# Altium PCB DM3390.PcbDoc (part 3 of 5)
Units mm, origin at the board's own origin, x right, y up, seen from the top; angles counter-clockwise.
Board outline 50.5 x 70 mm, 6 copper layers (Top Copper, Layer 1, Layer 2, Layer 3, Layer 4, Bottom Layer), stack 1.578 mm thick; 186 components, 176 nets, 1100 pads, 824 vias.
Unrouted connection lines stored in the file: 287.
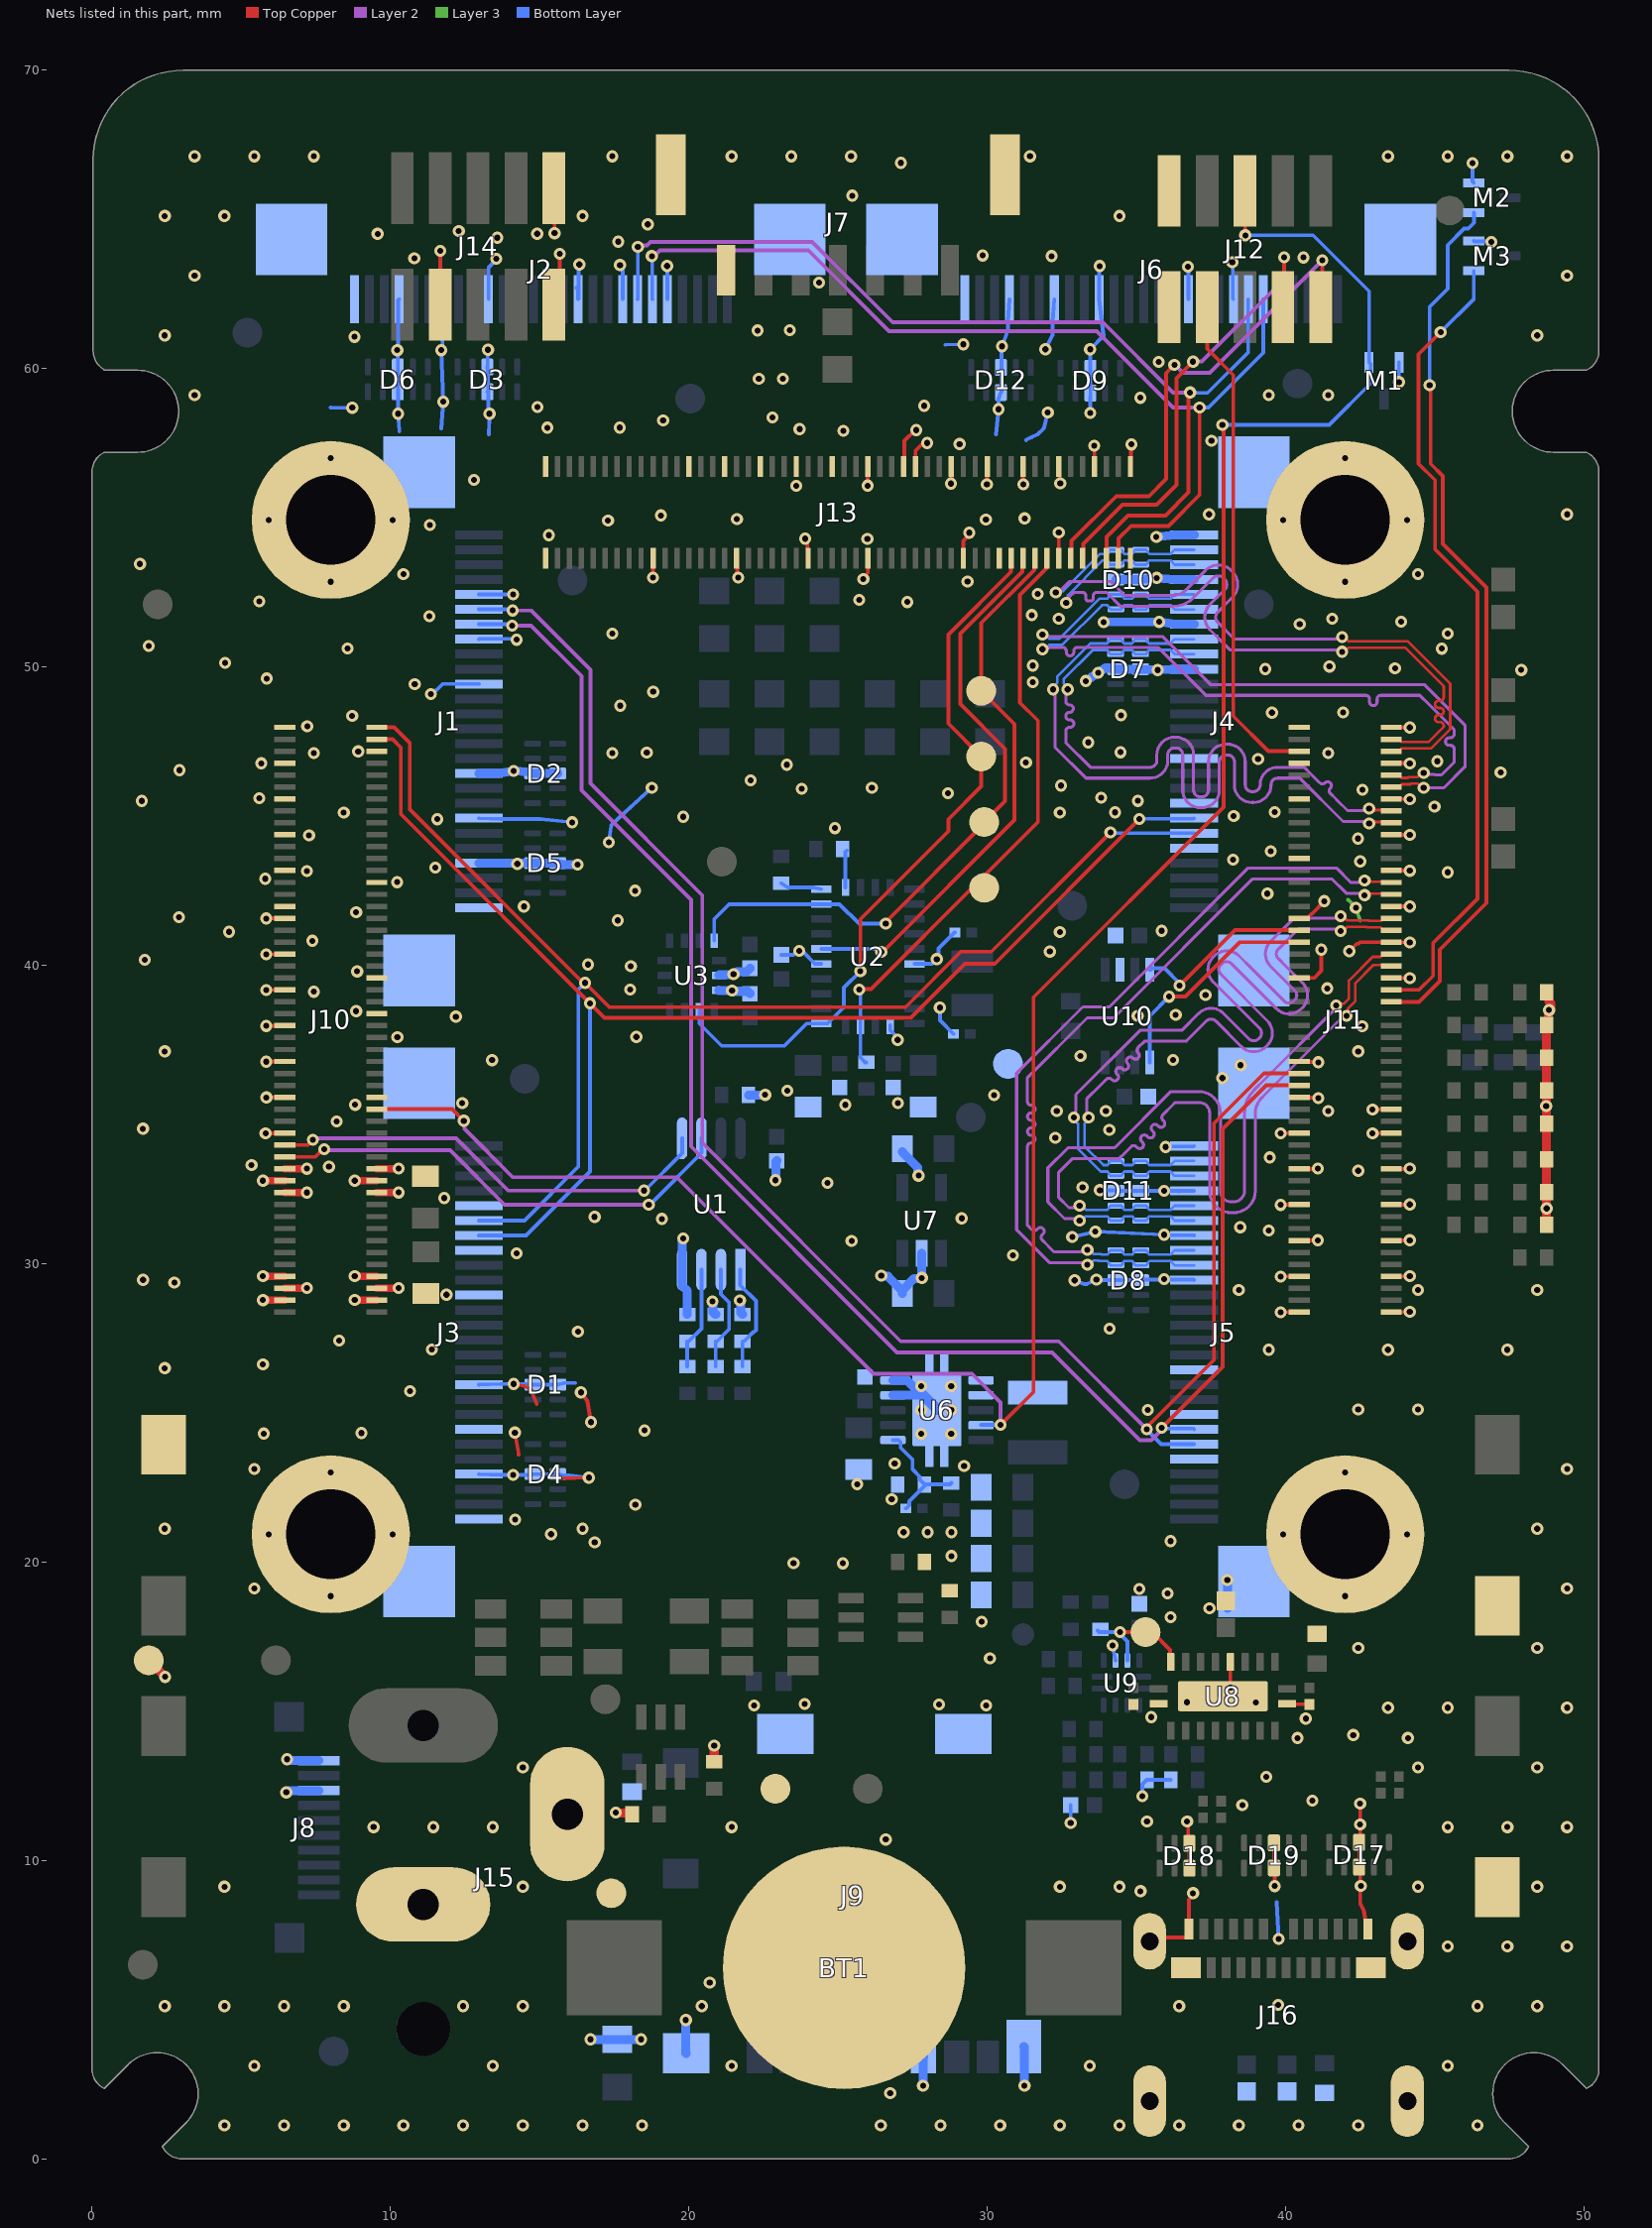
[diagram p7: the nets of this part, all layers, seen from the top]

## Via types
v1: diameter 0.406, hole 0.203, Top Copper to Bottom Layer, tented both sides, 794 vias
v2: diameter 0.406, hole 0.203, Top Copper to Bottom Layer, 30 vias

## Nets (pads, with @x,y where several pads share a name; then routed paths per layer and width w, separated by ;. In a path a pad name is that pad's centre, name@x,y a point inside that pad or via, vN(x,y) a via of type N, cw(c..) or ccw(c..) an arc to the next point about the centre after c; other vN are vias at no path point) (continued)
DBG_UART_TX: J11.95 J12.8 | length 16.8
  Top Copper w0.127: J12.8@37.372,62.059 37.372,60.663 38.25,59.785 38.25,48.35 39.423,47.177 J11.95@40.46,47.177
DIR: R42.1 TP22.1 U8.9 U9.11 | length 4.2
  Top Copper w0.127: v1(34.45,17.65) 35.541,17.65 36.133,17.058 36.133,16.667 U8.9@36.15,16.65
  Bottom Layer w0.127: R42.1@33.7,17.7 33.75,17.65 v1(34.45,17.65) 34.45,17.585 34.696,17.339 34.696,16.704 U9.11@34.7,16.7
EEPROM_A0: R27.1 R31.2 U1.1 | length 3.7
  Bottom Layer w0.127: U1.1@21.725,29.8 21.725,29.275 22.25,28.75 22.25,27.774 22.176,27.7 22.15,27.7 21.85,27.4 R31.2@21.8,27.4 R27.1@21.8,26.55
EEPROM_A1: R28.1 R32.2 U1.2 | length 3.6
  Bottom Layer w0.127: R28.1@20.9,26.55 R32.2@20.9,27.4 20.95,27.4 21.35,27.8 21.35,28.7 21.075,28.975 U1.2@21.075,29.8
EEPROM_A2: R29.1 R33.2 U1.3 | length 3.5
  Bottom Layer w0.127: R29.1@19.95,26.55 R33.2@19.95,27.4 20,27.4 20.425,27.825 U1.3@20.425,29.8
ENV_SCL: R35.2 U2.15 | length 1.4
  Bottom Layer w0.127: R35.2@23.1,42.75 23.312,42.611 24.163,42.611 U2.15@24.437,42.55
ENV_SDA: R36.2 U2.16 | length 1.3
  Bottom Layer w0.127: U2.16@25.25,42.612 25.25,43.8 R36.2@25.3,43.85
FB_3V3: C21.1 R38.1 R39.2 U6.1 | length 4
  Bottom Layer w0.127: U6.1@26.841,24.087 27.021,24.087 27.097,24.011 27.097,23.831 27.5,23.428 27.5,23.1 27.738,22.861 27.738,22.761 R39.2@27.9,22.6 27.9,22.55 27.386,22.036 27.386,21.896 27.29,21.8 C21.1@27.27,21.8 ; R39.2@27.95,22.6 28.75,22.6 R38.1@28.8,22.65
GND: B2.1 B3.1 B4.1 BT1.2 C1.1 C2.1 C3.1 C4.1 C5.1 C6.1 C7.2 C8.1 C9.1 C10.1 C11.1 C12.1 C13.1 C15.2 C16.2 C17.2 C18.2 C19.2 C20.2 C22.1 C23.1 C24.1 C25.1 C30.1 C31.1 C32.1 C33.1 C34.1 C35.1 C36.1 D1.3 D1.8 D2.3 D2.8 D3.3 D3.8 D4.3 D4.8 D5.3 D5.8 D6.3 D6.8 D7.3 D7.8 D8.3 D8.8 D9.3 D9.8 D10.3 D10.8 D11.3 D11.8 D12.3 D12.8 D17.3 D17.8 D18.3 D18.8 D19.3 D19.8 J1.1 J1.4 J1.7 J1.10 J1.16 J1.19 J1.22 J1.MP1 J1.MP2 J2.1 J2.4 J2.7 J2.10 J2.16 J2.19 J2.22 J2.MP1 J2.MP2 J3.1 J3.4 J3.7 J3.10 J3.16 J3.19 J3.22 J3.MP1 J3.MP2 J4.1 J4.4 J4.7 J4.10 J4.16 J4.19 J4.22 J4.MP1 J4.MP2 J5.1 J5.4 J5.7 J5.10 J5.16 J5.19 J5.22 J5.MP1 J5.MP2 J6.1 J6.4 J6.7 J6.10 J6.16 J6.19 J6.22 J6.MP1 J6.MP2 J7.7 J7.MH1 J7.MH2 J8.8 J8.10 J9.6 J9.11 J9.12 J9.13 J9.14 J10.3 J10.4 J10.5 J10.6 J10.7 J10.8 J10.21 J10.22 J10.23 J10.24 J10.25 J10.26 J10.31 J10.37 J10.38 J10.43 J10.49 J10.52 J10.55 J10.58 J10.61 J10.67 J10.69 J10.74 J10.75 J10.81 J10.87 J10.93 J10.96 J10.99 J11.1 J11.2 J11.7 J11.8 J11.13 J11.14 J11.19 J11.20 J11.25 J11.26 J11.31 J11.32 J11.36 J11.37 J11.43 J11.57 J11.58 J11.64 J11.67 J11.70 J11.76 J11.77 J11.82 J11.87 J11.88 J11.93 J11.94 J11.99 J11.100 J12.9 J12.10 J13.1 J13.2 J13.20 J13.25 J13.31 J13.34 J13.37 J13.43 J13.46 J13.49 J13.55 J13.56 J13.61 J13.63 J13.69 J13.72 J13.75 J13.78 J13.81 J13.87 J13.88 J13.93 J13.94 J13.99 J13.100 J14.3 J14.9 J14.10 J15.2 J15.3 J16.A1 J16.A12 J16.B1 J16.B12 J16.SH1 J16.SH2 J16.SH3 J16.SH4 M1.2 M2.2 M3.2 MTG1.1 MTG2.1 MTG3.1 MTG4.1 R6.1 R16.2 R17.2 R18.2 R19.2 R20.2 R21.2 R22.2 R23.2 R30.1 R31.1 R32.1 R33.1 R39.1 R40.1 R41.2 R45.2 R46.2 R54.1 R55.1 R57.1 R58.1 TP17.1 TP18.1 TP19.1 TP20.1 U1.4 U2.2 U2.10 U2.25 U3.6 U3.7 U6.4 U6.5 U6.11 U7.2 U8.5 U8.11 U8.20 U8.21 U9.10 U10.2 | length 193
  Top Copper w0.127: v1(5.815,34.367) 5.82,34.372 6.455,34.372 J10.31@6.46,34.378 ; v1(5.835,36.77) 5.843,36.778 J10.43@6.46,36.778 ; v1(5.835,37.97) 5.843,37.978 J10.49@6.46,37.978 ; v1(5.835,39.17) 5.843,39.178 J10.55@6.46,39.178 ; v1(5.835,40.37) 5.843,40.378 J10.61@6.46,40.378 ; v1(5.835,41.57) 5.843,41.578 J10.67@6.46,41.578 ; v1(5.841,35.57) 5.845,35.574 6.456,35.574 J10.37@6.46,35.578 ; v1(11.667,63.943) J14.3@11.667,62.147 J14.3@11.674,62.141 ; v1(14.125,25.967) 14.482,25.903 cw(c14.46,25.778) 14.516,25.892 ; v1(14.172,24.336) 14.3,23.6 ; 14.516,25.892 14.657,25.822 cw(c14.6,25.708) 14.718,25.756 14.9,25.3 ; J14.9@15.477,62.147 15.67,62.341 v1(15.67,63.85) ; J14.10@15.477,66.047 15.5,66.024 v1(15.5,64.54) ; 15.8,22.8 v1(16.65,22.828) ; v1(16.384,25.685) 16.581,25.425 cw(c16.48,25.348) 16.605,25.37 v1(16.724,24.687) ; v1(18.8,53) J13.20@18.8,53.638 ; J13.34@21.6,53.638 21.626,53.611 21.626,53.029 v1(21.655,53) ; v1(23.9,54.3) 23.9,54.224 23.973,54.151 23.973,53.664 J13.46@24,53.638 ; v1(25.85,52.95) 25.85,53.004 26,53.153 J13.56@26,53.638 ; v1(25.992,56.075) 25.996,56.079 25.996,56.714 J13.55@26,56.718 ; J13.61@27.2,56.718 27.225,56.743 27.225,57.579 27.588,57.942 v1(27.624,57.942) ; J13.63@27.6,56.718 27.6,57.258 27.797,57.455 27.937,57.455 v1(27.991,57.508) ; v1(28.783,56.145) 28.8,56.162 J13.69@28.8,56.718 ; J13.72@29.2,53.638 29.2,54.224 29.4,54.424 v1(29.4,54.5) ; v1(29.989,56.116) 30,56.127 J13.75@30,56.718 ; v1@30.382,58.587 v1(30.382,58.639) ; J13.81@31.2,56.718 31.2,56.129 v1(31.21,56.119) ; J13.88@32.373,53.351 32.4,53.378 J13.88@32.4,53.638 v1@32.4,54.505 ; J13.87@32.4,56.718 32.426,56.431 v1(32.45,56.15) ; v1(33.591,57.419) 33.595,57.415 33.595,56.722 J13.93@33.6,56.718 ; J13.99@34.8,56.718 34.817,56.735 34.817,57.443 v1(34.834,57.46) ; J16.SH1@35.442,7.289 35.566,7.413 36.676,7.413 36.762,7.499 J16.A1@36.762,7.699 36.762,8.687 36.9,8.824 v1(36.9,8.9) ; v1@36.7,11.25 36.738,11.212 36.738,10.608 D18.8@36.775,10.57 D18.3@36.775,9.735 ; U8.21@37.9,15.5 38.15,15.75 U8.5@38.15,16.65 ; D19.3@39.611,10.582 D19.8@39.611,9.747 39.638,9.528 v1(39.638,9.138) ; v1(39.835,28.369) 39.843,28.377 J11.1@40.46,28.377 ; v1(39.835,29.569) 39.843,29.577 J11.7@40.46,29.577 ; v1(39.835,31.969) 39.843,31.977 J11.19@40.46,31.977 ; v1(39.835,34.369) 39.843,34.377 J11.31@40.46,34.377 ; U8.20@40.05,15.25 40.065,15.235 40.785,15.235 C31.1@40.8,15.22 40.8,15.23 C31.1@40.896,15.326 ; J11.67@40.4,41.6 40.404,41.604 40.746,41.604 40.865,41.722 40.878,41.722 41.3,42.144 v1(41.3,42.15) ; J11.13@40.46,30.777 41.077,30.777 v1(41.085,30.785) ; J11.25@40.46,33.177 41.077,33.177 v1(41.085,33.185) ; J11.37@40.46,35.577 40.473,35.564 41.086,35.564 v1(41.1,35.55) ; J11.43@40.46,36.777 40.473,36.764 41.086,36.764 v1(41.1,36.75) ; J11.57@40.46,39.577 40.961,39.577 41.199,39.815 v1(41.199,40.525) ; v1(42.136,40.475) 42.385,40.724 42.454,40.724 42.507,40.777 J11.64@43.54,40.777 44.157,40.777 v1(44.165,40.769) ; v1(42.5,11.9) v1(42.5,11.2) 42.5,10.824 D17.8@42.467,10.605 D17.3@42.467,9.77 42.5,9.551 42.5,8.552 42.631,8.29 42.676,7.986 J16.A12@42.762,7.699 ; v1(42.915,34.369) 42.923,34.377 J11.32@43.54,34.377 ; v1(42.915,35.169) 42.923,35.177 J11.36@43.54,35.177 ; J11.2@43.54,28.377 44.157,28.377 v1(44.165,28.385) ; J11.8@43.54,29.577 44.157,29.577 v1(44.165,29.585) ; J11.14@43.54,30.777 44.157,30.777 v1(44.165,30.785) ; J11.20@43.54,31.977 44.157,31.977 v1(44.165,31.985) ; J11.26@43.54,33.177 44.157,33.177 v1(44.165,33.185) ; J11.58@43.54,39.577 44.157,39.577 v1(44.165,39.569) ; J11.70@43.54,41.977 44.157,41.977 v1(44.165,41.969) ; J11.76@43.54,43.177 44.157,43.177 v1(44.165,43.169) ; J11.82@43.54,44.377 44.157,44.377 v1(44.165,44.369) ; J11.88@43.54,45.577 44.157,45.577 v1(44.165,45.569) ; J11.94@43.54,46.777 44.157,46.777 v1(44.165,46.769) ; J11.100@43.54,47.977 44.157,47.977 v1(44.165,47.969)
  Top Copper w0.25: v1(5.726,28.78) 5.729,28.778 J10.3@6.46,28.778 J10.3@6.462,28.775 ; v1(5.726,29.58) 5.729,29.578 J10.7@6.46,29.578 J10.7@6.462,29.575 ; v1(5.726,32.78) 5.729,32.778 J10.23@6.46,32.778 J10.23@6.462,32.775 ; J10.5@6.46,29.178 6.462,29.18 7.193,29.18 v1(7.196,29.182) ; J10.21@6.46,32.378 6.462,32.38 7.193,32.38 v1(7.196,32.382) ; J10.25@6.46,33.178 6.462,33.18 7.193,33.18 v1(7.196,33.182) ; v1(8.804,28.782) 8.806,28.78 9.537,28.78 J10.4@9.54,28.778 ; v1(8.804,29.582) 8.806,29.58 9.537,29.58 J10.8@9.54,29.578 ; v1(8.804,32.782) 8.806,32.78 9.537,32.78 J10.24@9.54,32.778 ; J10.6@9.537,29.18 9.54,29.182 10.271,29.182 v1(10.273,29.185) ; J10.22@9.537,32.38 9.54,32.382 10.271,32.382 v1(10.273,32.385) ; J10.26@9.537,33.18 9.54,33.182 10.271,33.182 v1(10.273,33.185)
  Top Copper w0.3: TP19.1@1.9,16.7 v1(2.45,16.15) ; v1(17.55,11.6) 17.57,11.58 18.07,11.58 R54.1@18.1,11.55 ; R55.1@20.85,13.3 v1(20.85,13.85) ; R16.2@48.75,31.3 v1(48.75,31.85) R19.2@48.75,34.7 48.741,34.709 48.741,35.276 v1(48.733,35.284) 48.741,35.293 48.741,35.791 R20.2@48.75,35.8 R22.2@48.75,38 48.811,38.061 48.811,38.48 v1(48.832,38.5) ; R23.2@48.75,39.1 48.825,39.025 48.825,38.785 48.885,38.725 v1@48.885,38.515
  Layer 2 w0.127: v1(35.684,52.986) 35.7,53.002 v1@35.7,53.1
  Layer 3 w0.127: 42.1,42.2 v1(42.357,41.927) 42.5,41.5
  Bottom Layer w0.127: 8,58.7 v1(8.72,58.69) ; D6.3@10.248,59.222 D6.3@10.252,59.218 ; J2.4@10.287,62.325 10.258,62.296 10.258,60.646 v1(10.23,60.618) 10.248,60.6 D6.8@10.248,60.057 10.251,59.838 10.251,59.441 10.252,59.222 D6.3@10.252,59.218 ; 10.3,57.9 v1(10.256,58.489) 10.252,58.493 D6.3@10.252,59.218 ; v1(11.358,49.09) 11.408,49.09 11.748,49.43 J1.16@12.96,49.43 ; 11.7,58 v1(11.77,58.89) v1(11.706,60.618) v1@11.746,60.658 ; v1@11.748,60.66 v1@11.746,60.658 ; J2.7@11.787,62.325 11.746,62.284 v1@11.746,60.658 ; J3.4@12.96,22.945 13.697,22.917 v1(14.111,22.917) 14.559,22.917 D4.8@14.778,22.945 D4.3@15.613,22.945 15.832,22.901 15.987,22.901 cw(c15.987,22.774) 16,22.9 v1(16.65,22.828) ; J3.10@12.96,25.945 13.697,25.967 v1(14.125,25.967) 14.559,25.967 D1.8@14.778,25.945 D1.3@15.613,25.945 15.832,26 16.2,26 ; J1.4@12.96,43.43 12.987,43.403 D5.8@14.767,43.403 ; J1.7@12.96,44.93 13.697,44.9 14.993,44.9 cw(c14.993,44.773) 15.005,44.9 v1(16.087,44.793) ; J1.19@12.96,50.93 12.975,50.945 14.194,50.945 v1(14.225,50.913) ; J1.22@12.961,52.429 v1(14.115,52.428) ; D3.3@13.248,59.222 D3.3@13.284,59.186 ; v1(13.27,60.633) 13.259,60.622 13.259,60.068 D3.8@13.248,60.057 13.273,59.838 13.273,59.441 13.282,59.223 D3.3@13.284,59.186 ; J2.10@13.287,62.325 13.287,63.386 13.55,63.649 v1(13.55,63.68) ; 13.3,57.8 v1(13.32,58.49) 13.284,58.526 D3.3@13.284,59.186 ; J2.16@16.228,62.699 J2.16@16.287,62.758 ; v1@16.25,43.403 v1(16.276,43.377) ; v1(16.33,63.49) 16.308,63.468 J2.16@16.308,62.78 ; v1(17.318,44.126) 17.394,44.655 ; 17.394,44.656 cw(c17.519,44.637) 17.433,44.731 v1(18.759,45.95) ; v1(17.694,63.472) 17.694,63.396 17.787,63.303 J2.19@17.787,62.325 ; v1(19.27,63.441) 19.279,63.433 19.279,62.333 J2.22@19.287,62.325 ; C7.2@23.1,40.35 23.497,40.35 23.628,40.482 v1(23.7,40.482) ; v1@23.7,40.5 23.772,40.428 23.847,40.428 24.225,40.05 U2.10@24.437,40.05 ; U2.2@26.75,37.987 26.75,37.825 27,37.575 v1(27,37.5) ; U2.25@27.562,40.05 28.155,40.05 v1(28.311,40.207) 28.365,40.26 28.365,40.565 28.9,41.1 C8.1@28.92,41.1 ; v1(28.415,38.58) 28.415,38.155 C9.1@28.87,37.7 ; 28.6,60.8 v1(29.199,60.813) ; 30.3,57.8 v1(30.382,58.639) 30.382,58.983 D12.3@30.46,59.202 30.48,59.222 30.48,60.73 v1(30.5,60.75) ; v1@30.48,60.77 v1(30.5,60.75) ; J6.4@30.75,62.325 30.7,61.588 30.7,61.322 cw(c30.573,61.322) 30.692,61.279 v1(30.5,60.75) ; 31.3,57.6 31.5,57.7 31.681,57.791 ccw(c31.625,57.904) 31.715,57.815 31.875,57.975 ccw(c31.785,58.065) 31.908,58.035 v1(32.03,58.534) ; v1@31.955,60.655 v1(31.95,60.65) 32.182,61.107 ccw(c32.069,61.164) 32.196,61.164 32.196,61.588 J6.7@32.25,62.325 ; v1(32.8,11.25) C33.1@32.8,11.85 ; v1(32.852,30.894) v1(33.626,31.074) v1(35.935,30.968) 35.947,30.957 36.924,30.957 J5.7@36.936,30.945 ; v1(32.931,29.44) 33.251,29.318 ccw(c33.296,29.437) 33.348,29.321 v1(33.662,29.462) 33.68,29.445 D8.3@34.288,29.445 ; v1(33.452,58.509) 33.452,58.962 D9.3@33.46,59.181 33.45,59.4 v1(33.45,60.65) ; D9.8@33.46,60.016 33.455,60.021 33.455,60.645 v1(33.45,60.65) ; v1(33.724,49.808) 33.737,49.821 33.778,49.862 33.797,49.862 34.236,49.862 D7.3@34.304,49.93 ; v1(33.77,63.437) 33.75,63.417 J6.10@33.75,62.325 33.836,61.588 33.9,61.1 v1(33.45,60.65) ; v1(33.777,32.463) 33.787,32.454 34.304,32.454 D11.3@34.313,32.445 D11.8@35.148,32.445 J5.4@36.416,32.445 ; v2(34.2,17.2) 34.263,16.887 U9.10@34.3,16.7 ; D8.3@34.282,29.451 D8.3@34.288,29.445 ; v1(35.2,12.15) 35.2,12.55 R46.2@35.35,12.7 R45.2@36.15,12.7 ; v1@35.898,29.468 35.892,29.462 35.166,29.462 D8.8@35.148,29.445 D8.3@34.313,29.445 D8.3@34.288,29.445 ; v1(35.935,29.48) 35.952,29.462 36.919,29.462 J5.10@36.936,29.445 ; v1(35.935,32.444) J5.4@36.416,32.445 ; v1(35.979,33.91) 35.996,33.927 36.919,33.927 J5.1@36.936,33.945 ; J5.4@36.437,32.423 J5.4@36.416,32.445 ; v1@36.7,11.25 36.7,11.326 v1@36.801,11.427 ; v1(36.73,63.416) 36.74,63.406 36.74,62.335 J6.16@36.75,62.325 ; J5.4@36.936,32.445 J5.4@36.416,32.445 ; v1(38.217,63.561) 38.233,63.544 38.233,62.342 J6.19@38.25,62.325 ; 39.7,8.6 v1(39.772,7.366) ; v1(43.8,59.55) M1.2@43.8,60.209 ; v1(46.27,66.884) 46.27,66.267 M2.2@46.311,66.226 ; M3.2@46.311,64.276 46.324,64.263 46.887,64.263 v1(46.9,64.25) ; J2.16@16.287,62.758 J2.16@16.308,62.78 ; J2.16@16.287,62.758 J2.16@16.287,62.325 16.308,62.346 J2.16@16.308,62.78
  Bottom Layer w0.3: v1(6.51,12.278) 6.539,12.278 6.599,12.339 7.592,12.339 J8.8@7.594,12.341 ; v1(6.535,13.388) 6.564,13.388 6.608,13.344 7.592,13.344 J8.10@7.594,13.341 ; J1.4@12.96,43.43 14.634,43.43 14.762,43.404 D5.8@14.767,43.403 ; J1.10@12.96,46.43 13.61,46.43 v1(14.124,46.519) 14.634,46.48 D2.8@14.767,46.43 D2.3@15.602,46.43 ; D5.8@14.767,43.43 D5.3@15.602,43.43 15.734,43.38 v1(16.276,43.377) ; v1(16.7,4) C1.1@17.6,4 v1(18.4,4) ; v1(19.811,30.849) 19.775,30.813 U1.4@19.775,29.8 19.775,29.261 19.95,29.086 R33.1@19.95,28.3 ; v1(19.9,4.65) 19.9,3.544 J9.14@19.91,3.534 ; v1(20.793,28.738) 20.814,28.717 20.814,28.375 20.889,28.3 R32.1@20.9,28.3 ; U3.7@21.012,39.162 21.019,39.156 21.444,39.156 v1(21.45,39.15) 21.47,39.13 21.97,39.13 C10.1@22.05,39.05 ; U3.6@21.012,39.662 21.031,39.681 21.481,39.681 v1(21.5,39.7) 21.529,39.7 21.619,39.79 21.94,39.79 C11.1@22.05,39.9 ; v1(21.712,28.767) 21.733,28.746 21.733,28.367 R31.1@21.8,28.3 ; R30.1@22,35.65 22.55,35.65 v1(22.558,35.658) ; v1(22.9,32.8) 22.92,32.82 22.92,33.42 C2.1@22.95,33.45 ; v1(26.45,29.6) 26.47,29.58 26.67,29.58 C22.1@27.15,29.1 ; U6.4@26.841,25.587 27.816,25.587 U6.11@28.316,25.087 28.316,25.166 27.641,25.841 27.563,25.841 27.316,26.087 U6.5@26.841,26.087 ; C22.1@27.15,29 C22.1@27.15,29.1 ; C23.1@27.15,33.75 27.68,33.22 27.68,32.97 v1(27.7,32.95) ; U7.2@27.8,30.35 27.8,29.533 v1(27.811,29.522) 27.791,29.502 27.552,29.502 C22.1@27.15,29.1 ; v1(27.85,2.45) 27.86,2.46 27.86,3.399 J9.6@27.87,3.409 ; J9.13@31.23,3.759 31.25,3.739 v1(31.25,2.45) ; v1(33.301,49.529) 33.513,49.669 ; v1(33.724,49.808) 33.513,49.669 ; v1(33.901,51.498) v1(35.764,51.512) 36.286,51.43 J4.7@36.936,51.43 ; D10.3@34.312,52.93 D10.8@35.147,52.93 v1(35.684,52.986) 36.286,52.93 J4.4@36.936,52.93 ; v1(35.671,54.355) 36.286,54.43 J4.1@36.936,54.43 ; J4.10@36.936,49.93 36.286,49.93 v1(35.715,49.899) D7.8@35.139,49.93 D7.3@34.304,49.93 ; J5.MP2@38.05,18.45 v1(38.05,19.4) ; 33.513,49.669 33.722,49.811 33.737,49.821 33.797,49.862 33.892,49.926 cw(c34.06,49.678) D7.3@34.056,49.978 ; D7.3@34.056,49.978 34.171,49.978 D7.3@34.304,49.93 ; D7.3@34.056,49.978 D7.3@34.304,49.93
  other v1: 4.435,1.116 6.435,1.116 8.435,1.116 10.435,1.116 12.435,1.116 14.435,1.116 16.435,1.116 18.435,1.116 26.435,1.116 28.435,1.116 30.435,1.116 32.435,1.116 34.435,1.116 36.435,1.116 38.435,1.116 40.435,1.116 42.435,1.116 46.435,1.116 26.75,2.2 5.435,3.116 13.435,3.116 21.435,3.116 33.435,3.116 45.435,3.116 2.435,5.116 4.435,5.116 6.435,5.116 8.435,5.116 12.435,5.116 14.435,5.116 20.435,5.116 36.435,5.116 46.435,5.116 48.435,5.116 39.75,5.151 20.7,5.9 45.435,7.116 47.435,7.116 49.435,7.116 35.138,8.966 4.435,9.116 14.435,9.116 32.435,9.116 34.435,9.116 44.435,9.116 48.435,9.116 42.523,9.148 26.6,10.7 9.435,11.116 11.435,11.116 13.435,11.116 21.435,11.116 45.435,11.116 47.435,11.116 49.435,11.116 35.358,11.305 36.7,11.3 38.55,11.85 40.9,12 39.35,12.8 14.435,13.116 44.435,13.116 48.435,13.116 40.4,14.1 44.1,14.1 42.269,14.2 40.677,14.753 35.5,14.8 43.435,15.116 45.435,15.116 49.435,15.116 22.19,15.192 29.962,15.196 28.383,15.222 23.884,15.24 36.7,15.3 39.006,15.289 38.156,15.789 30.093,16.767 42.435,17.116 48.435,17.116 29.816,18 36.15,18.15 37.45,18.45 8,18.856 42,18.856 36.05,18.95 5.435,19.116 49.435,19.116 23.511,19.964 16.846,20.657 36.15,20.7 5.925,20.931 10.075,20.931 15.383,20.933 39.925,20.931 44.075,20.931 2.435,21.116 16.435,21.116 48.435,21.116 14.183,21.422 18.208,21.923 26.798,22.101 25.645,22.609 8,23.006 42,23.006 5.435,23.116 49.435,23.116 29.225,23.218 5.755,24.303 9.028,24.323 18.514,24.409 35.38,25.095 42.435,25.116 44.435,25.116 10.654,25.732 2.436,26.498 5.727,26.625 11.383,27.122 39.435,27.116 43.435,27.116 47.435,27.116 8.283,27.422 16.283,27.722 34.103,27.819 11.878,28.958 38.435,29.116 44.435,29.116 48.435,29.116 2.756,29.364 1.708,29.459 30.86,30.277 14.231,30.351 25.457,30.763 39.435,31.116 38.483,31.222 19.1,31.5 29.146,31.519 16.843,31.567 11.8,32.2 33.198,32.558 24.646,32.71 42.435,33.116 7.937,33.25 5.343,33.301 39.474,33.561 32.283,34.222 34.094,34.487 1.705,34.523 8.194,34.772 32.332,35.114 33.979,35.114 41.435,35.116 8.817,35.327 25.249,35.322 12.406,35.382 27.005,35.378 30.227,35.649 23.3,35.8 37.883,36.222 38.496,36.655 13.406,36.822 36.234,36.829 33.127,36.964 2.435,37.116 42.435,37.116 10.233,37.596 18.242,37.601 42.569,37.957 12.192,38.28 35.045,38.31 36.318,38.342 8.849,38.463 37.318,39.006 7.435,39.116 18.034,39.188 41.4,39.227 8.882,39.796 18.056,39.972 16.625,40.025 1.768,40.18 32.099,40.461 7.383,40.822 4.587,41.122 32.435,41.116 35.848,41.158 17.62,41.504 2.912,41.612 8.85,41.777 14.472,41.971 39.392,42.402 18.2,42.5 10.228,42.789 5.8,42.9 45.435,43.116 7.195,43.163 11.501,43.275 14.253,43.399 42.503,43.483 38.244,43.542 39.507,43.824 42.428,44.247 7.272,44.352 24.9,44.6 11.568,44.899 19.813,44.979 38.263,45.004 8.435,45.116 32.435,45.116 34.282,45.128 39.632,45.136 44.992,45.323 1.668,45.51 35.046,45.513 5.6,45.6 33.819,45.623 28.681,45.771 42.577,45.882 23.783,45.922 26.133,45.951 32.471,46.024 22.075,46.2 47.208,46.464 2.927,46.542 23.283,46.722 5.671,46.77 31.3,46.8 45.082,46.841 39.081,46.912 7.435,47.116 17.435,47.116 41.435,47.116 18.591,47.133 34.468,47.141 8.919,47.169 33.385,47.472 7.21,48.007 8.717,48.363 34.486,48.383 39.544,48.47 41.933,48.475 17.7,48.7 18.808,49.169 10.813,49.428 31.524,49.492 5.85,49.613 47.9,49.9 39.324,49.93 43.669,49.952 41.472,50.017 31.527,50.046 4.46,50.141 8.565,50.62 45.235,50.614 1.9,50.7 17.435,51.116 45.435,51.116 40.475,51.435 43.873,51.518 32.399,51.62 41.568,51.613 11.3,51.7 31.497,51.74 27.321,52.177 5.6,52.2 25.71,52.247 31.691,52.444 8,52.856 29.341,52.862 42,52.856 10.435,53.116 44.435,53.116 1.605,53.453 25.987,54.288 15.308,54.419 32.4,54.505 11.319,54.757 17.292,54.91 5.925,54.931 10.075,54.931 29.958,54.938 39.925,54.931 44.075,54.931 21.613,54.96 31.256,54.979 19.063,55.08 37.435,55.116 49.435,55.116 23.601,56.067 12.795,56.269 8,57.006 42,57.006 29.078,57.472 37.517,57.584 25.175,57.913 23.712,57.972 15.26,58.02 17.683,58.022 19.138,58.26 22.799,58.367 14.926,58.715 27.887,58.753 35.133,59.023 3.435,59.116 39.435,59.116 41.435,59.116 22.345,59.663 23.154,59.664 35.749,60.228 8.795,61.068 2.435,61.116 48.435,61.116 22.303,61.278 23.381,61.285 24.364,62.883 3.435,63.116 49.435,63.116 10.8,63.7 40.597,63.726 29.845,63.792 32.155,63.769 17.634,64.256 13.578,64.388 9.57,64.517 14.919,64.519 12.29,64.608 18.625,64.837 2.435,65.116 4.435,65.116 16.435,65.116 34.435,65.116 25.477,65.798 27.109,66.898 3.435,67.116 5.435,67.116 7.435,67.116 17.435,67.116 21.435,67.116 23.435,67.116 25.435,67.116 31.435,67.116 43.435,67.116 45.435,67.116 47.435,67.116 49.435,67.116